# Allegro board RK3588S_Template_LP5D315P232SD10H2_42x42_2750MHz_1R2_V10_20220413YWQ.brd (continued)
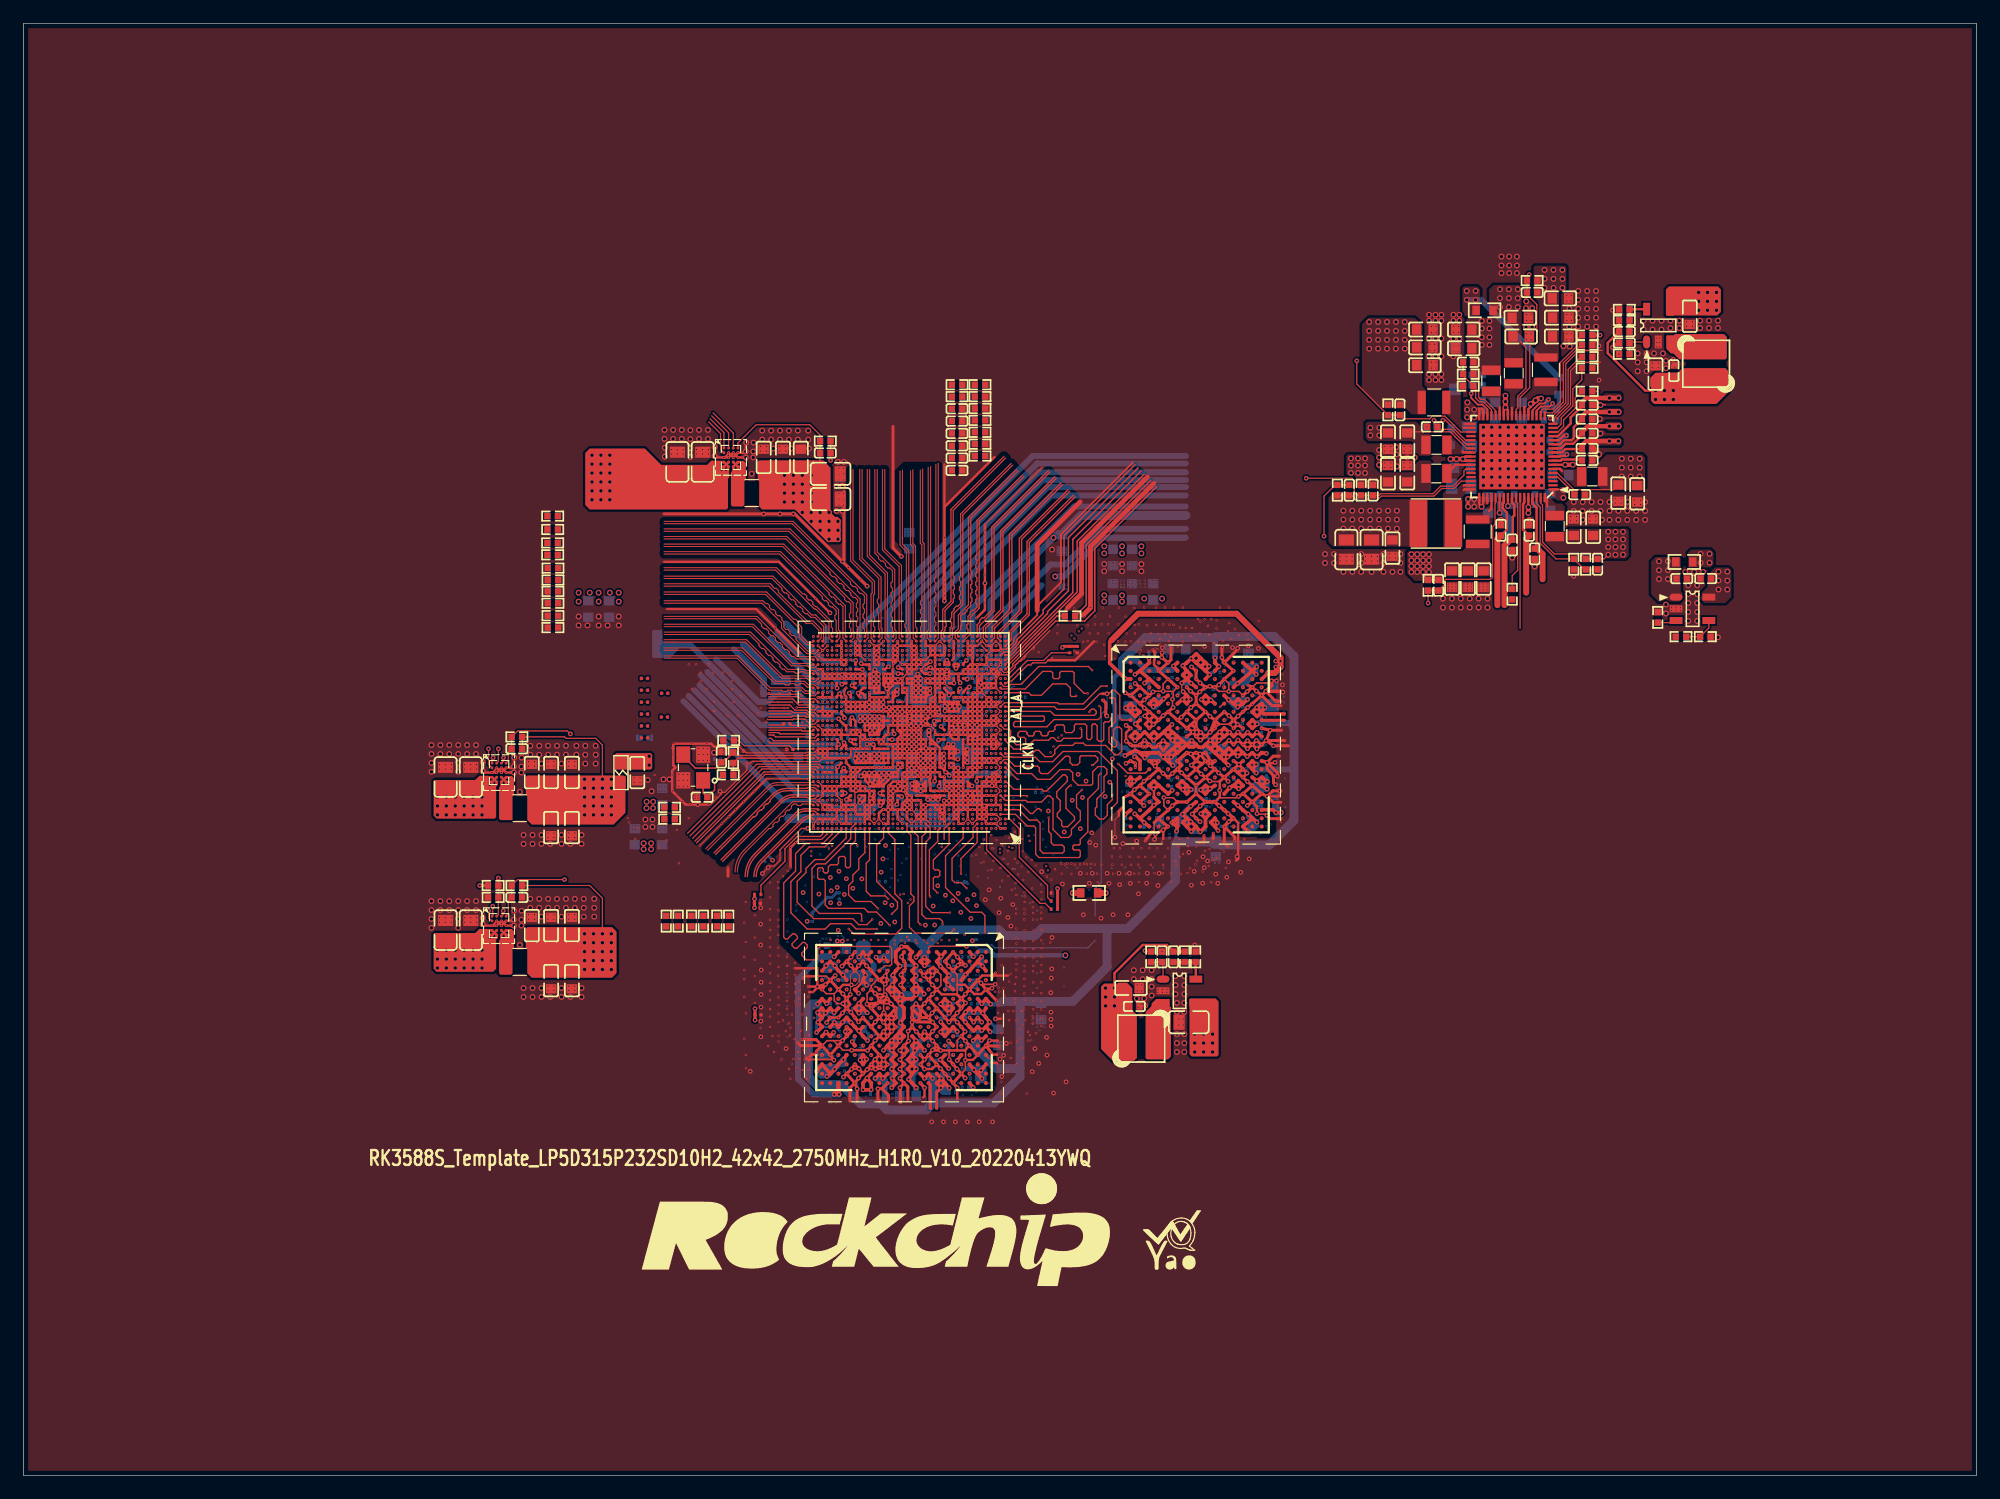
[diagram p0: board, top side]
## Routing (per net, layer and track width the routed paths; a pad name or vN(x,y) marks a point on that pad's centre or on a via; arc(x,y) is an arc through that point) (continued)
DDR_CH1_A6_C: length 30.7
  TOP w0.107: U1000.B7 81.13,55.34 81.13,54.53 79.34,52.74 79.34,50.9 79.57,50.67 80.1,50.67 v3(80.59,50.18)
  L3-S1 w0.064: v3(78.04,35.93) 77.97,35.87 v4(77.69,35.87) ; v4(80.74,49.84) 80.74,50.03 v3(80.59,50.18)
  L6-S2 w0.081: v4(80.74,49.84) 80.74,49.62 81.03,49.33 81.03,48.51 81.44,48.1 81.44,47.58 81.02,47.16 81.02,46.25 81.66,45.6 81.66,45.1 81.53,44.97 81.53,44.06 81.43,43.97 81.43,42.5 81.36,42.43 81.12,42.43 80.9,42.2 80.9,41.29 80.98,41.21 81.7,41.21 81.78,41.13 81.78,40.91 81.53,40.66 81.53,38.48 81.41,38.35 81.03,38.35 80.81,38.13 80.81,37.77 80.51,37.48 80.34,37.48 80.14,37.28 80.14,36.39 80.23,36.31 80.36,36.31 80.44,36.39 80.44,36.62 80.52,36.7 80.86,36.7 80.94,36.62 80.94,35.97 80.87,35.9 79.37,35.9 79.23,36.03 79.23,36.48 79.16,36.56 78.99,36.56 78.91,36.48 78.91,35.97 78.84,35.9 78.11,35.9 78.08,35.87 v4(77.69,35.87)
DDR_CH1_A6_D: length 29.3
  TOP w0.107: v3(74.02,47.02) 72.89,48.15 72.17,48.15 71.85,48.47 68.79,48.47 68.5,48.75 68.5,50.83 68.39,50.95 67.98,50.95 67.86,51.07 67.86,51.84 67.96,51.94 68.23,51.94 68.34,51.84 68.34,51.62 68.46,51.5 68.65,51.5 68.77,51.62 68.77,52.01 68.95,52.19 69.52,52.19 69.64,52.31 69.64,52.78 69.76,52.9 70.11,52.9 70.23,52.78 70.23,52.06 70.35,51.94 70.54,51.94 70.66,52.06 70.66,53.81 71.09,54.24 U1000.A33
  L3-S1 w0.064: v4(72.61,42.64) 72.61,42.52 v3(72.42,42.33) ; v3(74.02,47.02) 74.3,46.74 v4(74.34,46.74)
  L6-S2 w0.086: v4(74.34,46.74) 74.59,46.74 74.67,46.67 74.67,45.97 74.54,45.85 73.86,45.85 73.79,45.92 73.79,46.16 73.72,46.23 73.21,46.23 73.15,46.16 73.15,45.64 73.41,45.38 73.99,45.38 74.12,45.24 74.12,44.57 74.05,44.49 73.99,44.49 73.91,44.42 73.91,44.19 73.99,44.11 74.05,44.11 74.12,44.04 74.12,43.85 74.05,43.78 73.24,43.78 73.17,43.7 73.17,43.47 73.24,43.4 73.82,43.4 73.9,43.33 73.9,43.13 73.82,43.06 73.35,43.06 72.79,42.51 72.68,42.51 72.61,42.58 v4(72.61,42.64)
DDR_CH1_CLKN_C: length 32.1
  L3-S1 w0.066: v3(75.89,56.5) 75.89,56.5 75.69,56.3 75.69,56.22 75.68,56.21 75.68,56.03 75.69,56.02 75.69,49.46 75.55,49.32 75.55,48.95 v3(75.57,48.93) 75.69,48.82 75.69,46.23 75.86,46.06 79.98,46.06 80.05,46 80.05,45.66 79.83,45.45 78.46,45.45 78.3,45.29 78.3,45.1 78.24,45.04 78.06,45.04 77.99,45.1 77.99,45.29 77.83,45.45 77.51,45.45 77.34,45.29 77.34,45.1 77.28,45.04 77.16,45.04 77.09,45.1 77.09,45.29 76.93,45.45 76.64,45.45 76.48,45.29 76.48,45.13 76.41,45.07 76.23,45.07 76.17,45.13 76.17,45.29 76.01,45.45 75.92,45.45 75.73,45.45 75.56,45.28 75.56,39.88 75.49,39.81 74.48,39.81 74.32,39.65 74.32,39.38 74.48,39.22 76.39,39.22 76.94,38.66 76.94,38.38 76.84,38.28 76.69,38.28 v3(76.64,38.33)
DDR_CH1_CLKN_D: length 34
  L3-S1 w0.066: v3(75.09,56.5) 75.31,56.29 75.31,54.8 75.21,54.7 75.21,54.51 75.27,54.45 75.27,52 75.21,51.94 75.21,51.65 75.27,51.59 75.27,50.29 75.16,50.18 75.16,49.75 v3(75.21,49.7) 75.21,49.65 75.15,49.58 75.15,49.03 74.97,48.86 74.84,48.86 74.72,48.74 74.72,48.52 74.83,48.41 75.1,48.41 75.28,48.24 75.28,46.2 75.09,46 69.27,46 69.1,46.17 69.1,46.72 69.01,46.81 67.83,46.81 67.72,46.69 67.72,46.54 67.78,46.48 68.04,46.48 68.2,46.31 68.2,45.92 67.95,45.68 67.95,45.58 68.16,45.37 68.6,45.37 68.65,45.32 70.69,45.32 70.83,45.47 71.56,45.47 71.65,45.38 73.07,45.38 73.2,45.51 73.78,45.51 74.35,44.94 74.35,43.51 74.18,43.34 73.67,43.34 73.32,42.98 73.32,40.91 73.6,40.63 73.6,40.14 73.79,39.95 v3(73.87,39.95)
DDR_CH1_CLKP_C: length 31.4
  L3-S1 w0.066: v3(75.92,56.12) 75.92,56.12 75.93,56.12 75.92,56.12 75.86,56.05 75.86,49.29 v3(75.79,49.22) 75.79,49.09 75.86,49.02 75.86,46.3 75.93,46.24 80.05,46.24 80.22,46.07 80.22,45.59 79.91,45.28 78.53,45.28 78.47,45.22 78.47,45.03 78.31,44.87 77.98,44.87 77.82,45.03 77.82,45.22 77.76,45.28 77.58,45.28 77.52,45.22 77.52,45.03 77.36,44.87 77.08,44.87 76.92,45.03 76.92,45.22 76.86,45.28 76.71,45.28 76.65,45.22 76.65,45.06 76.49,44.89 76.16,44.89 76,45.06 76,45.22 75.94,45.28 75.8,45.28 75.73,45.2 75.73,40.22 75.73,39.81 75.56,39.64 74.56,39.64 74.49,39.58 74.49,39.45 74.56,39.39 76.46,39.39 77.12,38.73 77.12,38.51 77.29,38.34 v3(77.34,38.34)
DDR_CH1_CLKP_D: length 34
  L3-S1 w0.066: v3(73.15,39.95) 73.15,39.87 73.21,39.81 73.32,39.81 73.42,39.91 73.42,40.56 73.15,40.84 73.15,43.06 73.6,43.51 74.11,43.51 74.18,43.58 74.18,44.87 73.71,45.34 73.27,45.34 73.14,45.21 71.58,45.21 71.49,45.29 70.9,45.29 70.76,45.15 68.58,45.15 68.53,45.2 68.09,45.2 67.78,45.51 67.78,45.75 68.03,45.99 68.03,46.24 67.97,46.3 67.71,46.3 67.54,46.47 67.54,46.76 67.76,46.98 69.08,46.98 69.28,46.79 69.28,46.24 69.34,46.18 75.02,46.18 75.11,46.27 75.11,46.47 75,46.57 75,46.77 75.11,46.88 75.11,48.17 75.03,48.24 74.75,48.24 74.55,48.45 74.55,48.81 74.77,49.03 74.9,49.03 74.97,49.1 74.97,49.58 v3(74.91,49.65) 74.91,49.7 74.99,49.77 74.99,50.25 75.1,50.36 75.1,51.52 75.04,51.58 75.04,52.01 75.1,52.07 75.1,54.38 75.04,54.44 75.04,54.77 75.13,54.87 75.13,56.06 v3(75.09,56.1)
DDR_CH1_DM0_C: length 29.8
  L3-S1 w0.076: v3(82.22,42.31) 82.36,42.31 82.53,42.14 v4(82.53,42.1) ; v4(81.38,47.03) 81.32,47.09 81.32,47.97 80.82,48.46 80.61,48.46 80.34,48.74 78.21,48.74 77.73,49.22 77.73,49.65 77.45,49.93 77.45,54.09 77.22,54.31 77.22,55.67 77.03,55.86 77.03,56.44 v3(77.49,56.9)
  L8-S3 w0.076: v4(82.53,42.1) 82.49,42.1 82.41,42.02 82.41,41.04 82.5,40.95 83.9,40.95 84,41.06 84,41.24 83.93,41.31 83.39,41.31 83.31,41.39 83.31,41.62 83.39,41.69 83.93,41.69 84,41.77 84,42 83.93,42.08 83.41,42.08 83.33,42.15 83.33,42.38 83.41,42.46 83.93,42.46 84,42.53 84,42.68 83.93,42.76 82.92,42.76 82.85,42.83 82.85,43.06 82.92,43.14 83.93,43.14 84,43.21 84,43.74 83.81,43.92 83.71,43.92 83.28,43.5 83.08,43.5 82.97,43.61 82.97,43.72 83.44,44.19 83.44,44.3 82.62,45.12 82.62,46.32 82.46,46.48 82.38,46.48 82.04,46.82 82.04,46.86 81.88,47.03 v4(81.38,47.03)
DDR_CH1_DM0_D: length 32.9
  L3-S1 w0.076: v3(68.23,35.87) 68.04,35.68 67.44,35.68 67.18,35.94 65.81,35.94 v4(65.71,36.05) ; v4(73.64,54.37) 73.81,54.54 73.81,56.18 v3(73.49,56.5)
  L8-S3 w0.076: v4(65.71,36.05) 65.88,36.22 65.88,47.36 67.1,48.58 67.93,48.58 67.95,48.56 68.2,48.56 68.57,48.93 68.57,52.96 68.78,53.18 69.39,53.18 69.47,53.1 69.47,52.86 69.54,52.78 69.77,52.78 69.85,52.86 69.85,53.1 69.93,53.18 70.15,53.18 70.23,53.1 70.23,52.86 70.31,52.78 70.54,52.78 70.61,52.86 70.61,53.1 70.69,53.18 70.92,53.18 70.99,53.1 70.99,52.86 71.07,52.78 71.3,52.78 71.37,52.86 71.37,53.1 71.45,53.18 71.68,53.18 71.75,53.1 71.75,52.86 71.83,52.78 72.06,52.78 72.14,52.86 72.14,53.1 72.21,53.18 72.44,53.18 72.52,53.1 72.52,52.86 72.59,52.78 72.82,52.78 72.9,52.86 72.9,53.23 72.9,53.63 v4(73.64,54.37)
DDR_CH1_DM1_C: length 29.3
  TOP w0.119: v3(82.46,35.66) 82.24,35.89 U3901.A12
  L3-S1 w0.076: v3(79.09,56.5) 78.93,56.34 78.82,56.23 78.82,56.04 79.04,55.83 79.04,55.09 79.48,54.64 79.48,53.51 81.77,51.22 81.77,50.3 82.52,49.56 82.52,48.75 82.62,48.64 82.62,48.32 82.79,48.14 v4(82.79,47.57) ; v4(82.93,35.61) 82.51,35.61 v3(82.46,35.66)
  L6-S2 w0.107: v4(82.93,35.61) 82.88,35.56 81.72,35.56 81.65,35.64 81.65,36.48 81.72,36.56 81.98,36.56 82.05,36.48 82.05,36.01 82.13,35.94 82.36,35.94 82.43,36.01 82.43,36.53 82.51,36.61 82.71,36.61 82.79,36.53 82.79,36.06 82.87,35.98 83.1,35.98 83.39,36.28 83.39,37.03 84.02,37.67 84.02,43.99 83.06,44.96 83.06,46.41 82.9,46.57 82.9,47.47 v4(82.79,47.57)
DDR_CH1_DM1_D: length 26.6
  L3-S1 w0.076: v4(69.15,49.48) 68.91,49.48 68.38,48.95 68.27,48.95 68.13,49.1 68.13,49.2 68.61,49.69 68.61,51.64 70.99,54.02 70.99,55.96 71.09,56.06 v3(71.09,56.1) ; v4(67.91,42.26) 67.95,42.31 v3(68.26,42.31)
  L6-S2 w0.107: v4(69.15,49.48) 69.36,49.27 69.36,48.76 69.53,48.58 69.53,47.99 69.64,47.88 70.13,47.88 70.21,47.96 70.21,48.5 70.28,48.58 70.51,48.58 70.59,48.5 70.59,48.21 70.66,48.13 70.87,48.13 70.97,48.24 70.97,48.85 71.06,48.93 71.27,48.93 71.37,48.83 71.37,48.13 70.87,47.62 69.7,47.62 68.83,46.76 68.83,44.2 69.06,43.97 69.4,43.97 69.51,43.86 70.11,43.86 70.29,43.67 70.29,43.38 70.09,43.18 69.06,43.18 68.92,43.05 68.92,42.54 68.72,42.33 68.1,42.33 68.03,42.26 v4(67.91,42.26)
DDR_CH1_DQ0_C: length 28.4
  L3-S1 w0.076: v4(81.32,45.24) 81.44,45.24 81.51,45.18 82.02,45.18 82.12,45.08 82.12,44.8 82.06,44.75 81.09,44.75 80.9,44.93 80.9,45.37 80.67,45.6 80.67,46.07 80.76,46.16 80.76,46.94 80.59,47.1 79.52,47.1 79.23,47.39 78.22,47.39 77.76,47.85 77.12,47.85 76.59,48.38 76.59,49.66 76.69,49.77 76.69,53.81 76.54,53.96 76.54,55.38 76.29,55.63 v3(76.29,55.7) ; v3(80.08,44.73) 80.25,44.73 80.45,44.52 v4(80.48,44.52)
  L8-S3 w0.076: v4(81.32,45.24) 81.29,45.27 81.08,45.27 80.95,45.13 80.95,44.81 81.03,44.73 81.44,44.73 81.52,44.65 81.52,43.42 82.02,42.92 82.02,42.65 81.83,42.45 80.76,42.45 80.61,42.3 80.61,42.2 81.16,41.64 81.16,41.48 81.08,41.4 80.86,41.4 80.78,41.48 80.44,41.48 80.15,41.77 80.15,42.87 80.15,43.01 80.32,43.18 80.82,43.18 80.93,43.28 80.93,44.13 80.54,44.52 80.48,44.52 v4(80.48,44.52)
DDR_CH1_DQ0_D: length 31.4
  L3-S1 w0.076: v4(66.98,46.86) 67.02,46.86 67.55,47.38 70.89,47.38 71.35,47.84 72.03,47.84 72.21,48.02 72.32,48.02 72.49,47.85 72.6,47.85 72.76,48.02 72.76,48.12 72.59,48.29 72.59,48.46 74.64,50.51 74.64,52.19 74.69,52.24 74.69,54.21 74.64,54.26 74.64,54.85 74.68,54.89 74.68,54.89 74.69,54.9 v3(74.69,55.3) ; v3(70.33,33.55) 70.1,33.31 68.04,33.31 67.5,33.85 v4(67.5,34.08)
  L8-S3 w0.076: v4(67.5,34.08) 67.5,34.09 66.85,34.73 66.85,36.41 66.59,36.68 66.59,46.28 66.98,46.67 v4(66.98,46.86)
DDR_CH1_DQ1_C: length 30.8
  L3-S1 w0.076: v3(76.29,56.9) 76.54,56.65 76.54,55.7 76.77,55.48 76.77,54.05 76.94,53.87 76.94,49.65 76.83,49.54 76.83,48.57 77.33,48.07 78.17,48.07 78.25,48 78.25,47.83 78.33,47.75 78.48,47.75 78.56,47.83 78.56,48 78.63,48.07 78.8,48.07 79.08,47.79 80.25,47.79 81.01,47.04 81.01,46.18 81.14,46.04 81.22,46.04 81.42,45.84 81.42,45.76 81.77,45.42 82.29,45.42 82.37,45.34 82.37,44.37 82.44,44.3 82.67,44.3 82.75,44.37 82.75,45.69 82.83,45.76 83.05,45.76 83.13,45.69 83.13,44.37 83.21,44.3 83.43,44.3 83.51,44.37 83.51,44.53 83.59,44.6 83.74,44.6 83.82,44.68 83.82,44.91 83.74,44.98 83.59,44.98 83.51,45.06 83.51,45.34 83.59,45.42 83.74,45.42 84.55,44.61 84.55,44.46 84.47,44.38 84.03,44.38 83.95,44.31 83.95,44.08 84.03,44 84.47,44 84.55,43.93 84.55,43.38 84.47,43.31 84.32,43.31 83.62,44.01 82.27,44.01 82.18,43.92 81.55,43.92 81.48,43.84 81.48,43.79 81.4,43.72 81.25,43.72 81.17,43.79 81.17,43.84 81.1,43.92 80.91,43.92 v3(80.87,43.87)
DDR_CH1_DQ1_D: length 32.9
  L3-S1 w0.076: v3(74.29,56.1) 74.29,56.1 74.29,55.97 74.22,55.9 74.22,52.73 74.07,52.59 74.07,50.9 74.03,50.85 71.58,48.4 71.15,48.4 70.65,47.9 68.28,47.9 67.13,49.05 67.02,49.05 66.92,48.96 66.92,48.33 66.81,48.22 66.54,48.22 66.46,48.14 66.46,46.8 66.67,46.59 66.67,46.11 66.75,46.03 66.79,46.03 66.87,45.96 66.87,45.73 66.79,45.65 66.75,45.65 66.67,45.58 66.67,45.24 66.95,44.96 67.24,44.96 67.31,45.04 67.31,45.24 v4(67.24,45.31) ; v4(69.38,33.96) 69.38,34.08 v3(69.59,34.29)
  L8-S3 w0.076: v4(69.38,33.96) 69.4,33.93 67.97,35.36 67.59,35.36 67.25,35.7 67.25,36.6 66.98,36.88 66.98,45.15 67.14,45.31 v4(67.24,45.31)
DDR_CH1_DQ2_C: length 28.1
  L3-S1 w0.076: v4(77.46,47.32) 77.32,47.46 77.13,47.46 76.36,48.23 76.36,49.77 76.44,49.85 76.44,53.66 76.31,53.78 76.31,55.28 v3(76.29,55.3) ; v4(79.1,44.33) 79.1,44.27 v3(79.43,43.94)
  L8-S3 w0.076: v4(77.46,47.32) 77.46,45.94 77.38,45.86 76.54,45.86 76.5,45.9 76.5,46.15 76.44,46.22 76.21,46.22 76.12,46.13 76.12,45.54 76.2,45.47 77.53,45.47 77.61,45.39 77.61,45.16 77.53,45.09 76.2,45.09 76.12,45.01 76.12,44.78 76.2,44.71 77.53,44.71 77.61,44.63 77.61,43.38 77.68,43.3 77.91,43.3 78.01,43.4 78.01,44.77 78.08,44.85 78.68,44.85 78.75,44.92 78.75,45.15 78.68,45.23 78.08,45.23 78.01,45.31 78.01,45.53 78.08,45.61 78.68,45.61 78.75,45.69 78.75,45.91 78.68,45.99 78.08,45.99 78.01,46.07 78.01,46.24 78.08,46.32 78.43,46.32 78.92,46.32 79.05,46.19 79.05,44.37 v4(79.1,44.33)
DDR_CH1_DQ2_D: length 32.9
  L3-S1 w0.076: v3(71.07,34.34) 71.07,34.32 v4(70.81,34.07) ; v4(67.04,47.85) 67.69,47.85 67.91,47.63 70.75,47.63 71.23,48.11 71.61,48.11 74.35,50.85 74.35,52.34 74.47,52.45 74.47,55.47 v3(74.69,55.7)
  L8-S3 w0.076: v4(67.04,47.85) 66.9,47.85 66.21,47.16 66.21,36.41 66.47,36.14 66.47,34.59 67.47,33.6 70.34,33.6 v4(70.81,34.07)
DDR_CH1_DQ3_C: length 29.8
  L3-S1 w0.076: v3(76.29,57.3) 76.77,56.82 76.77,55.8 76.92,55.66 76.92,55.65 77.01,55.56 77.01,54.21 77.2,54.02 77.2,49.51 77.06,49.38 77.06,48.83 77.59,48.3 78.34,48.3 78.51,48.47 80.21,48.47 80.65,48.04 v4(80.77,48.04) ; v3(80.17,43.14) 80.15,43.14 80.15,43.13 79.85,43.13 v4(79.82,43.11)
  L6-S2 w0.107: v4(79.82,43.11) 79.84,43.09 79.84,42.82 79.76,42.74 79.76,42.25 79.84,42.18 80.07,42.18 80.14,42.25 80.14,42.28 80.22,42.36 80.44,42.36 80.52,42.28 80.52,41.58 80.42,41.47 80.31,41.47 80.16,41.32 80.16,40.83 80.07,40.74 79.78,40.74 79.65,40.88 79.65,41 79.8,41.15 79.8,41.29 79.72,41.37 79.33,41.37 79.26,41.45 79.26,41.55 79.38,41.67 79.38,42.15 79.42,42.19 79.42,43.8 79.57,43.95 80.05,43.95 80.13,44.03 80.13,44.44 80.13,44.45 80.13,45.36 80.04,45.44 79.81,45.44 79.73,45.36 79.73,44.73 79.65,44.65 79.23,44.65 79.14,44.75 79.14,45.35 79.77,45.97 80.52,45.97 80.7,46.16 80.7,46.91 80.26,47.35 80.26,47.75 80.55,48.04 v4(80.77,48.04)
DDR_CH1_DQ3_D: length 30.8
  L3-S1 w0.076: v4(70.01,34.97) 70.19,34.97 70.33,35.11 v3(70.33,35.15) ; v3(73.09,55.3) 73.09,55.17 72.87,54.94 72.87,50.42 71.42,48.97 70.8,48.97 70.25,48.42 69.2,48.42 v4(69.12,48.5)
  L8-S3 w0.076: v4(70.01,34.97) 69.86,35.12 68.89,35.12 68.45,35.56 68.45,36.92 67.87,37.5 67.59,37.5 67.31,37.78 67.31,40.65 67.55,40.88 67.86,40.88 67.94,40.96 67.94,41.19 67.86,41.27 67.55,41.27 67.47,41.34 67.47,44.4 67.8,44.73 67.8,46.54 67.98,46.72 68.76,46.72 68.84,46.8 68.84,47.03 68.76,47.1 67.98,47.1 67.9,47.18 67.9,47.41 67.98,47.48 68.76,47.48 68.84,47.56 68.84,47.79 68.76,47.86 67.98,47.86 67.9,47.94 67.9,48.14 67.98,48.21 68.75,48.21 69.04,48.5 v4(69.12,48.5)
DDR_CH1_DQ4_C: length 28.6
  L3-S1 w0.076: v3(77.49,56.1) 77.6,55.99 77.6,55.99 77.65,55.94 77.65,54.54 77.96,54.23 77.96,51.04 v4(78.08,50.92) ; v4(81.82,41.6) 81.77,41.64 81.54,41.64 v3(81.46,41.57)
  L8-S3 w0.076: v4(78.08,50.92) 78.24,50.92 78.5,50.66 78.85,50.66 78.93,50.73 78.93,51.24 78.68,51.5 78.37,51.5 78.24,51.37 78.03,51.37 77.93,51.46 77.93,51.7 77.84,51.79 76.92,51.79 76.84,51.71 76.84,51.52 76.92,51.44 77.55,51.44 77.63,51.37 77.63,51.18 77.55,51.1 77,51.1 76.93,51.03 76.93,50.84 77,50.76 77.58,50.76 77.66,50.69 77.66,50.46 77.58,50.38 77.04,50.38 76.96,50.31 76.96,49.99 77.04,49.92 78.46,49.92 78.66,50.11 78.66,50.25 78.74,50.33 78.98,50.33 79.03,50.28 79.03,50.03 79.63,49.43 80.14,49.43 80.3,49.27 80.3,49.01 80.47,48.84 80.89,48.84 80.99,48.73 80.99,48.31 81.36,47.95 81.36,47.53 80.9,47.07 80.9,46.57 81.22,46.25 81.22,46.04 81.42,45.84 81.42,45.83 81.47,45.78 81.47,45.77 81.67,45.57 81.68,45.57 81.96,45.29 81.96,44.78 82.08,44.66 82.51,44.66 82.8,44.37 82.8,43.97 82.55,43.72 82.55,42.79 82.17,42.41 82.17,41.69 82.08,41.6 v4(81.82,41.6)
DDR_CH1_DQ4_D: length 34.2
  L3-S1 w0.076: v4(66.53,49.35) 67.22,49.35 68.42,48.15 70.44,48.15 70.97,48.68 71.53,48.68 73.79,50.94 73.79,52.74 74.01,52.96 74.01,56.21 74.14,56.35 74.14,56.35 v3(74.29,56.5) ; v4(67.39,37.2) 67.53,37.34 68.04,37.34 68.33,37.04 68.69,37.04 68.93,36.8 v3(68.93,36.8)
  L6-S2 w0.107: v4(66.53,49.35) 66.37,49.35 65.53,48.51 65.53,36.8 66.01,36.33 67.32,36.33 67.39,36.41 67.39,36.67 67.32,36.75 66.52,36.75 66.44,36.82 66.44,37.13 66.52,37.2 v4(67.39,37.2)
DDR_CH1_DQ5_C: length 29
  L3-S1 w0.076: v4(81.49,49.22) 81.59,49.32 81.59,49.75 81.16,50.18 81.16,51.02 79.66,52.51 78.9,52.51 78.72,52.69 78.72,54.43 78.35,54.81 78.35,55.52 78.12,55.75 78.12,55.87 78.06,55.93 78.06,55.93 v3(77.89,56.1) ; v4(81.13,40.33) 80.81,40.66 v3(80.81,40.71)
  L8-S3 w0.076: v4(81.49,49.22) 81.98,48.73 81.98,48.6 81.56,48.18 81.56,48.06 81.71,47.92 81.9,47.92 82.16,48.18 82.27,48.18 82.37,48.07 82.37,47.56 82.3,47.48 82.3,47.37 82.42,47.24 82.68,47.24 82.96,46.96 82.96,46.33 83.23,46.06 83.23,45.92 82.92,45.61 82.92,45.47 83,45.4 83.15,45.4 83.22,45.32 83.22,45.04 84.33,43.93 84.33,40.83 84.21,40.71 83.76,40.71 83.68,40.63 83.68,40.46 83.76,40.38 84.26,40.38 84.34,40.3 84.34,39.89 84.26,39.81 84.06,39.81 83.98,39.89 83.98,40.06 83.92,40.12 83.67,40.12 83.6,40.04 83.6,39.81 83.52,39.74 83.09,39.74 83.02,39.81 83.02,40.15 83.12,40.26 83.24,40.26 83.3,40.32 83.3,40.63 83.22,40.71 82.27,40.71 82.14,40.84 82.14,41.1 82.02,41.21 81.82,41.21 81.72,41.11 81.72,40.92 81.64,40.84 81.06,40.84 80.99,40.77 80.99,40.48 v4(81.13,40.33)
DDR_CH1_DQ5_D: length 32.1
  L3-S1 w0.076: v4(69.72,38.02) 69.72,37.63 v3(69.64,37.54) ; v3(73.1,55.71) 73.3,55.71 73.37,55.63 73.37,54.99 73.1,54.71 73.1,52.13 73.18,52.06 v4(73.44,52.06)
  L6-S2 w0.107: v4(69.72,38.02) 69.72,38.21 69.62,38.32 67.37,38.32 67.04,37.99 66.71,37.99 66.29,38.4 66.29,47.6 67.3,48.6 67.3,50.06 67.06,50.3 67.06,51.18 68.33,52.45 69.64,52.45 69.75,52.34 69.75,52.1 69.85,52 70.07,52 70.17,52.1 70.17,52.41 70.28,52.52 70.49,52.52 70.6,52.41 70.6,52.1 70.71,52 70.92,52 71.03,52.1 71.03,52.41 71.13,52.52 71.35,52.52 71.45,52.41 71.45,52.1 71.56,52 71.77,52 71.88,52.1 71.88,52.41 71.99,52.52 72.2,52.52 72.31,52.41 72.31,52.1 72.41,52 72.63,52 72.73,52.1 72.73,52.28 72.84,52.39 73.11,52.39 v4(73.44,52.06)
DDR_CH1_DQ6_C: length 29.6
  L3-S1 w0.076: v4(79.78,40.39) 79.43,40.73 v3(79.43,40.75) ; v4(79.91,49.09) 79.91,49.11 79.43,49.58 79.28,49.58 78.83,50.04 77.78,50.04 77.71,50.11 77.71,54.16 77.44,54.42 77.44,55.78 77.26,55.96 77.26,56.27 77.34,56.35 v3(77.49,56.5)
  L8-S3 w0.076: v4(79.91,49.09) 79.91,48.84 79.83,48.76 79.36,48.76 79.05,48.45 78.94,48.45 78.79,48.6 78.56,48.6 78.48,48.53 78.48,48.06 78.41,47.99 76.41,47.99 76.33,47.91 76.33,47.8 76.8,47.34 76.9,47.34 77.27,47.7 78.35,47.7 78.49,47.57 78.49,47.36 78.56,47.28 78.73,47.28 78.81,47.36 78.81,47.53 78.89,47.61 79.18,47.61 79.43,47.35 79.43,46.99 79.5,46.92 79.5,46.02 79.58,45.95 79.94,45.95 80.03,46.03 80.03,46.24 80.08,46.29 80.43,46.29 80.54,46.18 80.54,45.71 80.41,45.58 79.51,45.58 79.43,45.51 79.43,45.28 79.51,45.2 79.81,45.2 79.89,45.13 79.89,44.9 79.81,44.82 79.56,44.82 79.48,44.75 79.48,42.45 79.38,42.35 79.38,41.41 79.54,41.25 79.91,41.25 80.12,41.04 80.12,40.57 79.94,40.39 v4(79.78,40.39)
DDR_CH1_DQ6_D: length 32.4
  L3-S1 w0.076: v3(73.49,56.1) 73.59,56 73.59,54.83 73.29,54.53 73.29,53.2 73.39,53.1 73.57,53.1 73.64,53.18 v4(73.64,53.2) ; v3(71.05,37.55) 70.72,37.55 v4(70.68,37.59)
  L6-S2 w0.107: v4(73.64,53.2) 68.57,53.2 66.55,51.18 66.55,50.36 66.98,49.92 66.98,48.74 65.91,47.67 65.91,38.23 66.55,37.59 67.56,37.59 67.81,37.34 68.17,37.34 68.45,37.05 68.45,36.3 68.56,36.2 69.98,36.2 70.36,36.58 70.36,37.27 v4(70.68,37.59)
DDR_CH1_DQ7_C: length 29.8
  L3-S1 w0.076: v3(78.71,41.6) 78.47,41.36 v4(78.43,41.36) ; v4(79.13,52.9) 79.1,52.9 78.98,53.02 78.98,54.5 78.58,54.9 78.58,55.64 78.37,55.85 78.37,56.03 78.05,56.35 78.05,56.35 v3(77.89,56.5)
  L8-S3 w0.076: v4(78.43,41.36) 78.68,41.61 78.68,42.07 78.42,42.33 76.08,42.33 75.81,42.6 75.81,48.24 75.88,48.31 78.03,48.31 78.1,48.39 78.1,48.8 77.75,49.15 77.75,49.22 77.41,49.56 76.02,49.56 75.95,49.64 75.95,50 76.02,50.08 76.55,50.08 76.63,50.15 76.63,50.38 76.55,50.46 75.7,50.46 75.63,50.53 75.63,50.76 75.7,50.84 76.55,50.84 76.63,50.92 76.63,51.14 76.55,51.22 75.7,51.22 75.63,51.3 75.63,52.01 75.73,52.12 76.04,52.12 76.12,52.04 76.12,51.66 76.19,51.58 76.42,51.58 76.5,51.66 76.5,52.04 76.57,52.12 77.62,52.12 78.14,52.63 78.86,52.63 v4(79.13,52.9)
DDR_CH1_DQ7_D: length 31.7
  L3-S1 w0.076: v4(70.27,48.96) 70.27,49.06 70.44,49.24 71.18,49.24 72.52,50.58 72.52,50.8 72.65,50.94 72.65,56.06 v3(72.69,56.1) ; v3(71.78,36.76) 71.75,36.76 v4(71.5,36.5)
  L8-S3 w0.076: v4(70.27,48.96) 70.16,48.85 70.16,48.02 70.09,47.94 69.48,47.94 69.4,47.86 69.4,47.63 69.48,47.56 70.09,47.56 70.16,47.48 70.16,47.24 70.04,47.12 69.37,47.12 69.29,47.04 69.19,46.94 69.19,46.52 69.11,46.45 68.58,46.45 68.46,46.33 68.46,46.22 68.54,46.14 69.08,46.14 69.19,46.04 69.19,45.7 69.11,45.62 68.52,45.62 68.45,45.55 68.45,45.32 68.52,45.24 69.11,45.24 69.19,45.17 69.19,44.94 68.12,43.87 68.12,42.82 68.59,42.36 69.14,42.36 69.53,41.96 69.53,41.21 69.25,40.93 68.32,40.93 68.25,40.85 68.25,40.01 68.2,39.96 68.2,39.09 68.24,39.05 68.24,37.54 69.79,35.98 70.99,35.98 v4(71.5,36.5)
DDR_CH1_DQ8_C: length 29.3
  L3-S1 w0.076: v3(80.27,56.48) v4(79.96,56.48) ; v3(80.13,33.54) 83.56,33.54 v4(84.17,34.16)
  L6-S2 w0.107: v4(84.56,47.48) 84.98,47.06 84.98,34.96 v4(84.17,34.16)
  L8-S3 w0.076: v4(79.96,56.48) 80.35,56.1 80.35,55.13 84.16,51.32 84.16,48.56 84.56,48.15 v4(84.56,47.48)
DDR_CH1_DQ8_D: length 27.6
  L3-S1 w0.076: v3(70.36,44.7) 68.92,44.7 68.84,44.63 68.84,44.04 68.76,43.97 68.6,43.97 68.48,44.08 68.48,44.68 68.41,44.76 67.97,44.76 67.89,44.68 67.89,44.58 68.16,44.31 68.16,43.71 68.05,43.6 67.46,43.6 66.69,42.83 66.58,42.83 66.46,42.71 66.33,42.71 66.21,42.83 66.21,43.11 66.28,43.18 66.59,43.18 66.67,43.26 66.67,43.49 66.59,43.56 66.28,43.56 66.21,43.64 66.21,43.85 66.28,43.93 67.64,43.93 67.71,44 67.71,44.23 67.64,44.31 67.48,44.31 67.4,44.38 67.4,44.59 67.33,44.67 67.1,44.67 67.02,44.59 67.02,44.38 66.94,44.31 66.28,44.31 66.21,44.38 66.21,44.69 66.36,44.84 66.36,45.07 66.21,45.22 66.21,45.45 66.36,45.6 66.36,45.83 66.21,45.98 66.21,46.21 66.35,46.35 66.35,46.46 66.18,46.63 66.18,49.91 66.56,50.28 66.98,50.28 67.06,50.36 67.06,50.78 70.49,54.21 70.49,55.98 70.47,56 70.47,56.28 v3(70.69,56.5)
DDR_CH1_DQ9_C: length 27.9
  L3-S1 w0.076: v3(79.51,55.68) 79.7,55.49 v4(79.94,55.49) ; v3(80.85,34.33) 80.9,34.28 82.94,34.28 v4(83.08,34.14)
  L6-S2 w0.107: v4(83.08,34.14) 83.92,34.97 84.38,34.97 84.66,35.26 84.66,44.26 83.73,45.19 83.73,46.58 83.95,46.8 83.95,47.37 83.73,47.59 83.73,48.09 83.85,48.21 83.85,48.21 v4(83.9,48.26)
  L8-S3 w0.076: v4(79.94,55.49) 79.82,55.36 79.82,55.26 81.75,53.32 81.75,53.21 81.63,53.09 81.63,52.98 81.8,52.82 81.9,52.82 82.02,52.94 82.13,52.94 83.9,51.17 v4(83.9,48.26)
DDR_CH1_DQ9_D: length 29.2
  L3-S1 w0.076: v3(69.63,43.9) 69.63,43.93 69.83,44.13 v4(69.83,44.21) ; v4(70.15,50.14) 70.29,50.14 70.48,49.95 70.48,49.62 70.56,49.55 71.14,49.55 72.14,50.55 72.14,50.8 72.42,51.09 72.42,56.23 72.69,56.5 v3(72.69,56.5)
  L6-S2 w0.107: v4(70.15,50.14) 70.42,50.14 70.61,49.95 70.61,49.46 70.76,49.32 71.43,49.32 71.58,49.46 71.58,50.02 72.02,50.46 72.02,50.81 72.1,50.9 72.28,50.9 72.37,50.81 72.37,50.42 72.46,50.33 72.64,50.33 72.72,50.42 72.72,50.81 72.81,50.9 72.96,50.9 73.15,50.71 73.15,50.08 73.05,49.98 72.09,49.98 72.01,49.9 72.01,49.67 72.09,49.6 73.03,49.6 73.1,49.52 73.1,49.29 73.03,49.22 72.09,49.22 72.01,49.14 72.01,48.91 72.09,48.83 72.9,48.83 72.98,48.76 72.98,48.56 72.87,48.45 71.93,48.45 71.82,48.35 71.82,47.92 71.92,47.82 71.92,47.66 71.77,47.51 71.62,47.51 71.52,47.61 71.37,47.61 71,47.24 69.77,47.24 69.2,46.67 69.2,45.1 69.83,44.47 v4(69.83,44.21)
DDR_CH1_DQ10_C: length 28.9
  L3-S1 w0.076: v4(82.91,49.36) 83.05,49.36 83.25,49.56 83.25,50.5 79.99,53.76 79.99,54.83 v3(79.52,55.29) ; v4(79.76,34.01) v3(79.44,34.33)
  L6-S2 w0.107: v4(82.91,49.36) 82.91,47.96 83.22,47.65 83.22,46.7 83.41,46.51 83.41,45.06 84.34,44.13 84.34,36.01 83.18,34.85 83.07,34.85 82.73,35.19 82.62,35.19 82.46,35.03 82.46,34.93 82.8,34.58 82.8,34.47 82.59,34.26 81.28,34.26 80.63,33.62 80.16,33.62 v4(79.76,34.01)
DDR_CH1_DQ10_D: length 29.6
  L3-S1 w0.076: v4(72.03,51.27) 72.2,51.44 72.2,56.4 v3(72.69,56.9) ; v4(71.13,44.75) 71.05,44.68 71.05,43.99 v3(71.01,43.95)
  L8-S3 w0.076: v4(71.13,44.75) 70.69,44.75 70.63,44.81 70.63,45.85 70.71,45.92 70.95,45.92 71.03,45.85 71.03,45.19 71.08,45.14 71.34,45.14 71.42,45.21 71.42,46.01 71.56,46.15 71.69,46.15 71.77,46.08 71.77,44.81 71.87,44.7 72.07,44.7 72.12,44.76 72.12,46.91 71.83,47.19 71.83,47.66 72.07,47.89 72.36,47.89 72.53,48.06 72.53,48.17 72.45,48.25 72.2,48.25 72.12,48.32 72.12,48.56 72.2,48.64 72.66,48.64 72.73,48.72 72.73,48.94 72.66,49.02 72.2,49.02 72.12,49.1 72.12,49.33 72.2,49.4 72.66,49.4 72.73,49.48 72.73,49.71 72.66,49.78 72.2,49.78 72.12,49.86 72.12,50.09 72.2,50.16 72.66,50.16 72.73,50.24 72.73,50.42 72.66,50.49 72.18,50.49 72.1,50.57 72.1,50.8 72.18,50.87 72.57,50.87 72.64,50.95 72.64,51.94 72.57,52.02 72.29,52.02 72.21,51.94 72.21,51.77 72.13,51.69 71.9,51.69 71.83,51.77 71.83,51.94 71.7,52.07 70.86,52.07 70.73,51.94 70.73,50.95 70.8,50.88 71.06,50.88 71.25,51.07 71.25,51.13 71.45,51.33 71.97,51.33 v4(72.03,51.27)
DDR_CH1_DQ11_C: length 28.5
  L3-S1 w0.076: v3(80.14,35.14) 80.14,35.12 v4(80.39,34.88) ; v4(84.55,49.3) 84.55,49.55 80.25,53.85 80.25,55.06 80.27,55.09 80.27,55.9 80.29,55.92 v3(80.29,56.1)
  L8-S3 w0.076: v4(84.55,49.3) 84.61,49.3 85.72,48.22 85.72,46.57 85.65,46.49 85.42,46.49 85.34,46.41 85.34,46.03 85.42,45.96 85.65,45.96 85.72,45.88 85.72,45.5 85.65,45.42 85.42,45.42 85.34,45.35 85.34,44.97 85.42,44.89 85.65,44.89 85.72,44.81 85.72,38.74 84.58,37.6 84.58,36.98 83.95,36.35 82.88,36.35 81.54,35.01 80.51,35.01 v4(80.39,34.88)
